# KiCad board pannel.kicad_pcb (continued)
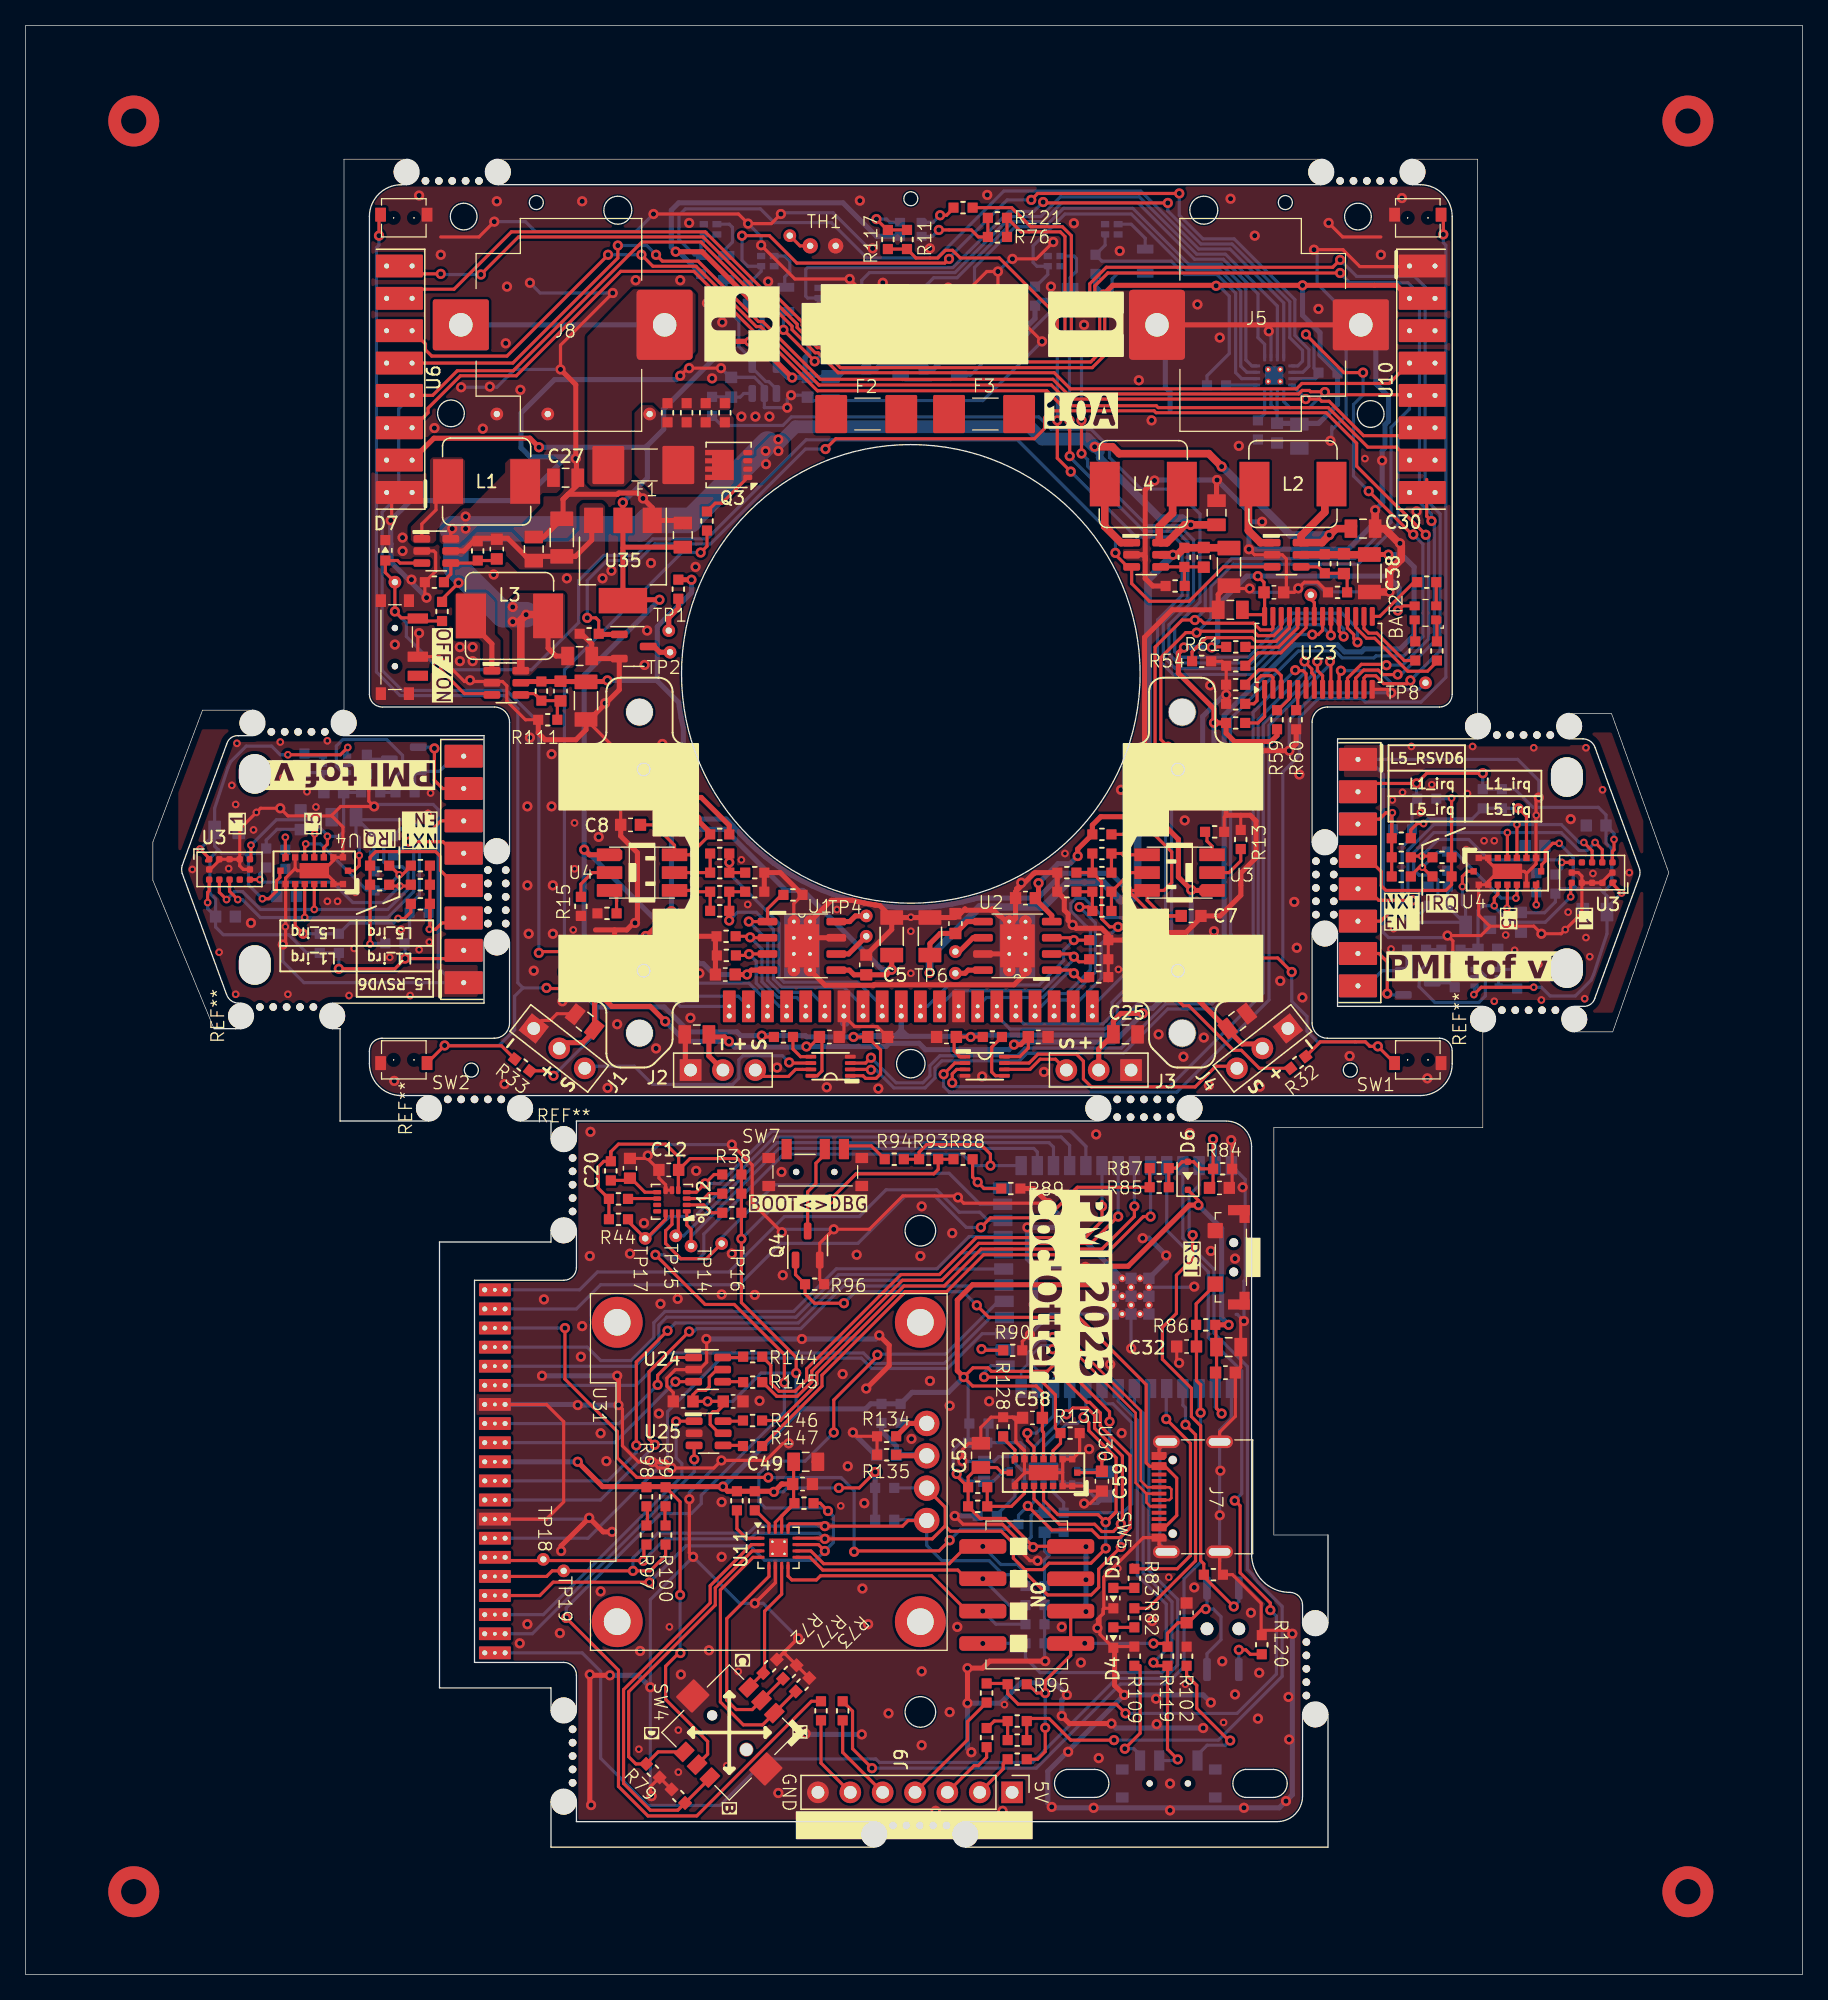
[diagram p0: board, top side]
## Routing (per net, layer and track width the routed paths; a pad name or vN(x,y) marks a point on that pad's centre or on a via; arc(x,y) is an arc through that point) (continued)
/boards interface/sda_top_3v3: length 97.1
  Top w0.25: U30.C3 79.17,37.34 81.16,35.35 83.92,35.35 84.5,34.78 85.39,34.78 v2(85.99,35.37) 86.11,35.49 86.11,40.7 83.92,42.89 83.92,43.9 83.35,44.47 82.22,44.47 v2(81.72,43.97) ; v2(62.75,35.2) 68.85,35.2 69.29,35.64 U31.4 ; v2(62.75,35.2) 62.67,35.12 ; v2(62.75,35.2) 62.56,35.39 60,35.39 59.86,35.25 U11.13 ; v2(85.99,33.56) 84.25,31.83 84.25,30.39 83.66,29.8 80.24,29.8 78.65,31.39 v2(77.67,31.39) ; 50.45,33.82 50.25,33.62 50.25,32.9 49.04,31.69 v2(47.69,31.69) 41.35,31.69 40.91,31.25 J49.16
  Bottom w0.25: U31.4 70.75,33.69 71.95,32.49 75.65,32.49 76.75,31.39 v2(77.67,31.39) ; v2(85.99,35.37) v2(85.99,33.56) ; U22.C3 79.17,41.42 81.97,44.22 U32.11 ; 70.65,35.69 70.64,35.7 R81.2 ; v2(62.75,35.2) 62.75,35.2 57.31,35.2 56.76,34.65 49.64,34.65 47.69,32.69 v2(47.69,31.69)
/boards interface/Sensor module/enable_back_tof_3v3: length 13.9
  Top w0.25: U30.A5 80.67,41.12 81.25,41.7 R131.1 80.85,42.9 80.85,45.5 79.45,46.9 v2(75.25,46.9)
  Bottom w0.25: 76.95,47.8 75.8,47.8 75.25,47.25 v2(75.25,46.9)
/boards interface/Sensor module/enable_front_tof_3v3: length 18.6
  Bottom w0.25: U22.A5 80.67,37.88 81.5,37.05 R127.1 86.15,36.25 86.83,36.94 86.83,43.33 85.36,44.8 84.8,44.8 84.51,45.09 U32.9
/boards interface/Sensor module/gyro_irq_3v3: length 38.6
  Top w0.25: R38.2 54.05,62.8 v2(53.35,62.1) 52.66,61.41 U12.4
  Bottom w0.25: 53.4,62.15 v2(53.35,62.1) 54.5,62.1 58.6,66.2 82.05,66.2 82.15,66.1 ; U32.31 83.24,65.01 82.15,66.1 ; 82.15,66.1 83.25,65
/boards interface/Sensor module/gyro_miso_3v3: length 34.6
  Top w0.25: 52.25,57.3 52.25,58.5 51.91,58.84 U12.1
  Bottom w0.25: 52.25,57.3 52.25,57.94 59.16,64.85 79.15,64.85 79.43,64.57 U32.28
/boards interface/Sensor module/gyro_mosi_3v3: length 36.1
  Top w0.25: TP15.1 51.25,58.19 U12.14
  Bottom w0.25: TP15.1 51.66,57.99 58.97,65.3 80.35,65.3 80.7,64.95 U32.29
/boards interface/Sensor module/gyro_ncs_3v3: length 42.9
  Top w0.25: TP17.1 47.3,59.14 R44.2 ; 48.75,57.79 50.25,59.29 U12.12
  Bottom w0.25: U32.30 81.97,65.08 81.3,65.75 58.79,65.75 52.54,59.5 50.56,59.5 48.85,57.79
/boards interface/Sensor module/gyro_sck_3v3: length 33.6
  Top w0.25: TP16.1 53.45,56.19 51.45,56.19 50.25,57.39 50.25,58.39 50.75,58.89 U12.13
  Bottom w0.25: TP16.1 54.65,57.85 58.8,62 64.35,62 65.25,62.9 72.5,62.9 74.94,60.47 U32.25
/boards interface/Sensor module/VL53L5_I2C_RST_u22_3v3: length 3.1
  Bottom w0.25: U22.A1 77.67,37.52 76.25,36.1 R124.1
/boards interface/Sensor module/VL53L5_I2C_RST_u30_3v3: length 2.2
  Top w0.25: U30.A1 77.67,41.18 76.75,42.1 R128.1
/boards interface/tof_irq_3v3: length 91.8
  Top w0.25: v2(58.31,39.01) 58.3,39.03 47.99,39.03 46.46,40.55 46.46,42.63 42.35,46.74 v2(42.35,50.75) ; v2(78.68,36.78) 80.56,34.9 83.7,34.9 84.3,34.3 85.94,34.3 86.71,35.07 86.71,40.74 84.38,43.07 84.38,44.09 83.54,44.92 83.33,44.92 v2(81.1,47.15) ; v2(65.05,33.19) 65.11,33.25 71.71,33.25 v2(72.55,34.09) ; U30.A3 79.17,41.4 78.65,41.92 v2(78.65,42.5)
  Bottom w0.25: U22.A3 79.17,37.12 78.75,36.7 78.75,36.71 v2(78.68,36.78) 77.95,36.05 R123.2 77.4,35.35 77,34.95 73.41,34.95 v2(72.55,34.09) ; v2(65.05,33.19) 65.05,37.99 64.03,39.01 v2(58.31,39.01) ; J49.3 v2(42.35,50.75) ; v2(78.65,42.5) 79.35,42.5 80.7,43.85 U32.12 80.7,46.75 v2(81.1,47.15)
/enable_tof_3v3: length 39.4
  Top w0.25: v3(17.7,88.65) 17.7,87.63 U3#3.5 ; U3#2.5 121.3,85.62 v3(121.3,84.6) ; v3(115.3,83.9) 115.3,84.52 115.58,84.8 U4#2.A5 ; U4#3.A5 23.42,88.45 23.7,88.73 v3(23.7,89.35)
  Bottom w0.25: v3(17.7,88.65) 19.7,90.65 22.48,90.65 23.7,89.43 v3(23.7,89.35) 24.6,89.35 24.98,89.72 24.98,92.8 R15#2.2 26.35,93.8 R16#2.2 26.05,95 Q4#2.5 ; v3(121.3,84.6) 119.3,82.6 116.52,82.6 115.3,83.82 v3(115.3,83.9) 114.4,83.9 114.03,83.53 C9.1 R15#3.2 112.65,79.45 R16#3.2 112.95,78.25 Q4#3.5
/power_supply/+batt_fuse: length 0
  Top w0.25: 50.74,118.26 50.75,118.25
/power_supply/+batt_unprotected: length 16.6
  Top w0.4: 49.38,128.88 49.38,129.5
  Bottom w0.4: 49.38,129.5 33.38,129.5
/power_supply/enable_pw_conv_3v7: length 104.9
  Top w0.25: 29,109 v2(29,107) 29.5,106.5 30.75,106.5 31,106.25 R114.2 ; U28.3 29.4,110.8 29.2,111 D7.A 28.25,110.05 TP11.1 ; v2(85.56,111.6) 85.56,111.46 86.52,110.5 U34.3 86.84,109.19 88.23,107.8 91.35,107.8 94.05,110.5 U29.3 ; 36.61,100.55 34.46,100.55 v2(32.3,102.7)
  Bottom w0.25: v2(85.56,111.6) 85.56,112.78 77.86,120.47 61.27,120.47 53.5,112.7 49.23,112.7 47.93,111.4 45.4,111.4 43.42,109.42 43.42,106.12 39.73,102.42 33.27,102.42 33,102.7 v2(32.3,102.7) 32.23,102.7 29.9,105.03 29.9,106.1 v2(29,107)
/power_supply/Vmot_left_5V: length 60.8
  Top w0.4: 42.84,101.5 43.98,101.5 C43.1 ; 42.84,101.5 45.59,101.5 v2(45.68,101.59) ; 42.84,101.5 38.89,101.5 ; R8.2 51.26,109.49 v2(52.28,109.49) ; U1.5 64.67,78.84 65.05,78.47 C3.1 67.59,78.47 v2(68,78.88) C5.1
  Bottom w0.4: v2(52.28,109.49) 52.28,108.48 50.15,106.35 50.15,106.35 49.6,105.8 49.6,101.54 49.55,101.59 ; 49.55,101.59 51.29,99.85 51.33,99.51 51.47,98.65 51.64,97.86 51.64,90.62 52.36,89.9 54.9,89.9 59.7,85.1 61.03,85.1 67.25,78.88 v2(68,78.88) ; 49.55,101.59 v2(45.68,101.59)
/power_supply/Vmot_right_5V: length 62.3
  Top w0.4: 94.45,112 C44.1 ; v2(70.97,78.63) 70.97,80 C6.1 71,80.92 71.81,81.72 C4.1 73.93,82.66 U2.5
  Top w0.6: 94.45,112 R112.1 90.42,111.45 U34.5 v2(90.08,111.45)
  Bottom w0.6: v2(70.97,78.63) 70.97,79.87 74.9,83.8 79.9,83.8 81.83,85.73 84.57,85.73 86,84.3 86.76,84.3 87.3,84.85 87.3,95.55 88.12,96.37 88.12,109.5 v2(90.08,111.45)
/propulsion/dir_left: length 11.4
  Top w0.25: R1.1 56.81,81.5 v2(56.89,81.42) 56.92,81.39 U1.2
  Bottom w0.25: v2(56.89,81.42) 57.81,80.5 57.81,77.93 59.05,76.7 60.55,76.7 J50.5
  Bottom w0.4: J50.5 J50.5
/propulsion/dir_right: length 16.3
  Top w0.25: v2(82.3,79.9) 82.7,79.5 83.5,79.5 ; v2(82.3,79.9) 82.08,80.11 U2.2 ; v2(82.3,79.9) 82.27,79.86
  Bottom w0.25: J50.12 72.97,77.22 79.83,77.22 82.3,79.7 v2(82.3,79.9)
  Bottom w0.4: J50.12 J50.12
/propulsion/encoder_supply: length 67.1
  Top w0.25: R29.1 52.15,87.9 U4.6 50.95,88.65 49.35,90.25 C8.1 ; R30.1 88.6,89.5 89.98,88.12 89.98,85.7 89.38,85.1 U3.6 ; U3.6 88.05,84.33 89.28,83.1 C7.1 88.55,83.1 v2(86.45,85.2) 86.55,85.1 U3.6
  Top w0.4: R29.1 53.75,89.64 v2(52.69,90.7)
  Bottom w0.4: v2(52.69,90.7) 55.01,90.7 55.56,90.15 56.14,89.51 56.75,88.89 57.39,88.3 58.05,87.75 58.74,87.22 59.46,86.73 60.2,86.27 60.95,85.85 61.73,85.47 62.52,85.12 63.33,84.81 64.16,84.54 64.99,84.3 65.84,84.11 66.69,83.96 67.55,83.85 68.42,83.77 69.28,83.74 70.15,83.75 71.02,83.81 71.88,83.9 72.74,84.03 73.58,84.2 74.43,84.42 74.7,84.5 79.48,84.5 81.43,86.45 85.2,86.45 v2(86.45,85.2)
/propulsion/left_encod_A_3v3: length 20.4
  Top w0.25: 55.33,84.99 55.25,84.91 R28.2 55.25,82.75 v2(55.24,82.74) ; R26.2 R27.1
  Bottom w0.25: v2(55.24,82.74) 55.88,83.39 57.38,83.39 58.72,82.05 58.72,78.16 59.38,77.5 64.25,77.5 J50.8
  Bottom w0.4: J50.8 J50.8
/propulsion/left_encod_B_3v3: length 23.2
  Top w0.25: R21.1 R24.2 R20.2
  Bottom w0.25: J50.9 65.35,77.9 59.54,77.9 59.16,78.28 59.16,82.5 55.25,86.42 v2(55.25,87.3)
  Bottom w0.4: J50.9 J50.9
/propulsion/mot_left_A: length 2.9
  Top w0.4: U1.6 64.62,80.11 TP3.1
/propulsion/mot_left_B: length 2.6
  Top w0.4: 66,83 65.9,83.1 65.15,83.1 64.7,82.66 U1.8
/propulsion/mot_right_A: length 2.7
  Top w0.4: 73,80 74.39,81.39 U2.6
/propulsion/mot_right_B: length 2.3
  Top w0.4: TP6.1 73.75,78.6 74,78.84 U2.8
/propulsion/pwm_left: length 8.9
  Top w0.25: U1.3 56.81,80.11 v2(56.8,80.1) 56.7,80 R3.1
  Bottom w0.25: v2(56.8,80.1) 57.37,79.53 57.37,77.81 59.18,76 J50.4
  Bottom w0.4: J50.4 J50.4
/propulsion/pwm_right: length 18.5
  Top w0.25: U2.3 81.98,81.39 82.23,81.14 ; v2(82.3,81.2) 83.3,81.2 83.5,81
  Bottom w0.25: J50.11 70.8,76 72.47,77.67 79.58,77.67 81.5,79.59 81.5,80.39 v2(82.3,81.2)
  Bottom w0.4: J50.11 J50.11
/propulsion/pwm_vaccum_3v3: length 100.4
  Top w0.25: v2(44.1,106.5) 44.77,106.5 45,106.27 R5#3.1 ; v2(106.84,102.78) 106.77,102.85 104.87,102.85 103.78,101.76 U23.11 ; v2(62.8,119.75) 63.61,120.56 79.2,120.56 80,121.36 80,122.2 80.55,122.75 88.6,122.75 88.75,122.6 102.11,122.6 104.5,120.21 104.5,118.4 107.74,115.16 107.78,115.16 v2(109.92,113.02)
  Top w0.4: R5#3.1 45.05,105.2 Q1.1
  Bottom w0.25: v2(62.8,119.75) 61.23,119.75 53.78,112.3 49.4,112.3 48.1,111 45.67,111 44.1,109.43 v2(44.1,106.5) ; v2(109.92,113.02) 110.15,112.79 110.15,104.84 108.1,102.78 v2(106.84,102.78)
/propulsion/right_encod_A_3v3: length 16.7
  Top w0.25: v2(85.77,82.24) 85.11,82.24 84.47,82.88 84.47,85.78 R22.2 ; R22.2 R23.1 ; R22.2 R25.2
  Bottom w0.25: v2(85.77,82.24) 84.44,80.91 84.44,78.19 J50.19
  Bottom w0.4: J50.19 J50.19
/propulsion/right_encod_B_3v3: length 14.6
  Top w0.25: v2(82.74,83.8) 83.44,83.8 R19.2 R17.2 R18.1
  Bottom w0.25: J50.18 81.25,76.5 81.8,76.5 83.99,78.69 83.99,82.55 v2(82.74,83.8)
  Bottom w0.4: J50.18 J50.18
/SCL_3v3: length 62.9
  Top w0.25: v3(22.67,83.61) U4#3.C4 ; U3#3.10 15.22,84.95 v3(15.78,84.38) ; v3(123.22,88.87) 123.78,88.3 U3#2.10 ; J1#2.6 32.61,90.56 31.98,89.92 v2(30.1,89.92) ; v3(116.33,89.64) U4#2.C4 ; J1.6 106.39,82.69 107.03,83.33 v2(108.9,83.33)
  Bottom w0.25: v2(108.9,83.33) 109.58,83.33 R10#2.2 110.88,84.62 110.88,85.92 110.5,86.3 109.4,86.3 108.97,86.73 108.97,88.06 110.56,89.64 v3(116.33,89.64) 120.56,89.64 121.96,88.24 122.59,88.24 v3(123.22,88.87) ; v3(15.78,84.38) 16.41,85.01 17.04,85.01 18.44,83.61 v3(22.67,83.61) 28.44,83.61 30.02,85.19 30.02,86.52 29.6,86.95 28.5,86.95 28.12,87.33 28.12,88.62 R10#3.2 29.43,89.92 v2(30.1,89.92)
/SDA_3v3: length 60.3
  Top w0.25: U3#2.9 122.98,88.22 v3(122.33,88.87) ; v3(16.67,84.38) 16.02,85.03 U3#3.9 ; v2(30.1,88.92) 32.77,88.92 33.68,88.02 J1#2.5 34.37,88.05 ; v3(117.08,90.27) U4#2.C3 ; 104.63,85.2 J1.5 105.32,85.23 106.23,84.33 v2(108.9,84.33) ; v3(21.92,82.98) U4#3.C3
  Bottom w0.25: v3(16.67,84.38) 17.03,84.38 18.44,82.98 21.91,82.98 v3(21.92,82.98) 28.45,82.98 30.48,85 30.48,88.55 v2(30.1,88.92) 29.03,87.85 R9#3.2 ; v3(122.33,88.87) 121.97,88.87 120.56,90.27 117.09,90.27 v3(117.08,90.27) 110.55,90.27 108.53,88.25 108.53,84.7 v2(108.9,84.33) 109.97,85.4 R9#2.2
/sensors/ctc_left: length 108.7
  Top w0.25: R32.2 101.65,73.22 105.18,73.22 105.54,72.86 v2(106.16,72.86) ; v2(106.16,72.86) 105.86,72.86 ; v2(106.16,72.86) SW1.2 ; v2(111.3,136.6) 111.3,137.97 SW6.2 ; v2(86.7,79.5) 89,79.5 89.3,79.8 98.3,79.8 v2(99.4,78.7)
  Bottom w0.25: v2(111.3,136.6) 111.3,135.95 111.5,135.75 111.5,101.83 109.55,99.89 105.17,99.89 104.9,100.16 101.5,100.16 100,98.66 100,95.7 98.7,94.4 98.7,79.4 v2(99.4,78.7) 99.4,76.4 100.6,75.2 100.6,74.05 101.45,73.2 105.2,73.2 105.54,72.86 v2(106.16,72.86) ; v2(86.7,79.5) 86.7,78.95 J50.20
  Bottom w0.4: J50.20 J50.20
/sensors/ctc_right: length 105.4
  Top w0.25: SW9.1 27.75,138.03 v2(27.75,136.5) ; R33.2 37.37,72.9 32.93,72.9 v2(32.9,72.93) SW2.1 ; v2(40.9,77.45) 40.95,77.4 45.75,77.4 v2(46.4,76.75)
  Bottom w0.25: v2(40.9,77.45) 39.05,77.45 ; 39.05,77.45 38.4,76.8 38.4,74.15 37.18,72.93 v2(32.9,72.93) ; 39.05,77.45 38.65,77.85 38.65,99.35 37.6,100.4 29.4,100.4 27.55,102.25 27.55,135.55 27.75,135.75 v2(27.75,136.5) ; J50.1 51.4,76 50.7,76.7 46.45,76.7 v2(46.4,76.75)
  Bottom w0.4: J50.1 J50.1
/sensors/enable_tof1: length 91.3
  Top w0.25: 28.75,121.42 30.42,121.42 31.6,122.6 31.6,122.95 34.15,125.5 38.53,125.5 46.73,133.7 52.47,133.7 57.21,128.96 57.54,128.96 61.3,125.2 61.3,125.19 62.17,124.33 80.17,124.33 81.35,123.15 88.77,123.15 88.92,123 102.27,123 105.37,119.9 107.63,119.9 U10.7
/sensors/line_detect_l0: length 49.7
  Bottom w0.25: U7.7 98.28,130.97 94.2,135.05 91.94,135.05 87.44,139.55 81.25,139.55 79.7,138 77.37,138 72.97,133.6 66.25,133.6 65.65,133 65.65,129.35 65.9,129.1 U8.1 66.75,128.35 66,127.6 R36.2
/sensors/line_detect_l1: length 54.9
  Top w0.25: v2(79.89,139.14) 79.96,139.07 v2(89.67,139.07)
  Bottom w0.25: v2(89.67,139.07) 89.67,138.44 92.27,135.85 94.72,135.85 99.25,131.32 99.25,128.5 100.25,127.5 100.25,126.65 99.88,126.28 99.42,126.28 ; R42.2 61.5,130.5 62.25,131.25 U13.1 61.4,131.6 61.25,131.75 61.25,133.85 61.4,134 72.8,134 77.2,138.4 79.15,138.4 v2(79.89,139.14)
/sensors/line_detect_l2: length 63.8
  Top w0.25: v2(56.25,136.5) 58.4,136.5 60.55,134.35 72.17,134.35 v2(72.5,134.68) ; v2(90.58,139.81) 79.46,139.81 v2(78.95,139.31)
  Bottom w0.25: v2(72.5,134.68) 72.5,134.75 77.06,139.31 v2(78.95,139.31) ; 99.42,125.78 100.28,125.78 100.75,126.25 100.75,127.57 99.65,128.67 99.65,131.48 94.88,136.25 92.43,136.25 90.58,138.11 v2(90.58,139.81) ; v2(56.25,136.5) 56.25,134.56 56.71,134.1 U15.1 57.75,133.7 R48.2
/sensors/line_detect_l3: length 65.2
  Bottom w0.25: U7.8 98.78,131.22 94.55,135.45 92.1,135.45 87.55,140 76.8,140 71.55,134.75 66.05,134.75 63.27,137.53 58.77,137.53 57.7,138.6 51.8,138.6 51.3,138.1 51.3,136.2 52.51,134.99 R52.2 53.03,135.82 53.25,136.04 U19.1
/sensors/line_detect_r0: length 43.6
  Bottom w0.25: R37.2 71.25,128.25 U9.1 70.5,129.1 70,129.6 70,131.9 71.3,133.2 73.13,133.2 77.53,137.6 79.87,137.6 81.37,139.1 87.32,139.1 91.77,134.65 94.03,134.65 96.75,131.93 96.75,128.5 97.28,127.97 U7.5
/sensors/line_detect_r1: length 37.8
  Bottom w0.25: R43.2 75.75,130.75 U14.1 74.8,131.6 74.5,131.9 74.5,134 77.7,137.2 80.03,137.2 81.48,138.65 86.92,138.65 91.32,134.25 93.87,134.25 95.8,132.32 95.8,126.75 96.28,126.28 U7.4
/sensors/line_detect_r2: length 31.8
  Bottom w0.25: R49.2 79.3,132.5 80.25,133.45 U16.1 79.4,134.1 79.1,134.4 79.1,135.7 81.6,138.2 86.81,138.2 91.16,133.85 93.7,133.85 95.4,132.15 95.4,126.25 95.88,125.78 U7.3
/sensors/line_detect_r3: length 22.2
  Bottom w0.25: U20.1 84.75,135.75 R53.2 84.5,134.5 89.94,134.5 90.99,133.45 93.54,133.45 95,131.99 95,125.75 95.47,125.28 U7.2
/sensors/line_led_3v3: length 64.4
  Top w0.25: v2(61.95,126.63) 61.95,126.66 v2(59.5,129.11) ; v2(75.9,127.27) 75.67,127.04 64.46,127.04 v2(62.65,128.85)
  Bottom w0.25: 62.04,126.64 62.03,126.63 v2(61.95,126.63) 61.95,126.65 62.5,127.2 62.95,127.2 63.8,128.05 ; 71.1,125.2 69.05,125.2 R34.1 ; 71.1,125.2 68.85,125.2 68.5,125.55 ; 71.1,125.2 72.65,125.2 73,125.55 74.19,125.55 v2(75.9,127.27) 76.69,128.05 R41.1 77.97,128.05 80.47,130.55 R47.1 84.25,130.55 85.3,131.6 85.3,133.1 85.75,133.55 R51.1 ; U5.1 58.95,124.45 58.35,125.05 58.12,125.05 57.05,126.12 U5.4 ; 59.5,130.55 v2(59.5,129.11) 59.41,129.11 57.05,126.75 U5.4 ; R40.1 63.8,128.05 ; 63.8,128.05 63.45,128.4 63.1,128.4 v2(62.65,128.85) 62.8,128.85 ; R50.1 55,130.8 56,129.8 56,127.8 56.94,126.86 56.94,126.5 U5.4
/sensors/tof_irq: length 166
  Top w0.25: U10.4 107.05,124.9 100.2,124.9 99.78,124.47 82.03,124.47 80.76,125.74 63.8,125.74 62.23,127.31 61.99,127.31 60.17,129.12 60.17,129.39 58.45,131.11 57.92,131.11 53.03,136 48.39,136 38.29,125.9 33.9,125.9 31.96,123.96 28.75,123.96 ; v2(50.1,80.3) 40.4,80.3 v2(40.3,80.2)
  Bottom w0.25: U6.4 29.3,122.91 29.3,116.1 28,114.8 28,102.37 29.57,100.8 37.77,100.8 40.3,98.27 v2(40.3,80.2) ; J50.3 58.25,76.36 56.79,77.83 52.58,77.83 v2(50.1,80.3)
  Bottom w0.4: J50.3 J50.3
/VL53L1_irq_3v3: length 32
  Top w0.25: R20#3.1 110.35,87.8 v3(109.6,87.8) 108.85,87.8 R4#2.1 ; R20#2.1 28.65,85.45 v3(29.4,85.45) 30.15,85.45 R4.1 ; v3(18.4,85.95) U3#3.7 ; v3(120.6,87.3) U3#2.7
  Bottom w0.25: v3(29.4,85.45) 28.1,84.15 25.7,84.15 24.1,85.75 18.6,85.75 v3(18.4,85.95) 18.4,86.4 R8#3.2 ; R8#2.2 120.6,86.85 v3(120.6,87.3) 120.4,87.5 114.9,87.5 113.3,89.1 110.9,89.1 v3(109.6,87.8)
/VL53L5_I2C_RST_3v3: length 5.1
  Top w0.25: U4#2.A1 118.58,85.02 118.6,85 v3(118.6,83.97) ; U4#3.A1 20.42,88.23 20.4,88.25 v3(20.4,89.28)
  Bottom w0.25: v3(20.4,89.28) R14#2.1 ; v3(118.6,83.97) R14#3.1
/VL53L5_irq_3v3: length 25.5
  Top w0.25: R21#2.1 110.38,86.2 v3(109.66,86.92) 109.42,86.92 108.75,86.25 R5.1 ; U4#3.A3 21.92,88.67 v3(22,88.75) ; R5#2.1 30.25,87 29.57,86.33 v3(29.34,86.33) 28.62,87.05 R21#3.1 ; v3(117,84.5) 117.08,84.58 U4#2.A3
  Bottom w0.25: v3(117,84.5) 115.85,84.5 112.25,88.1 110.83,88.1 v3(109.66,86.92) ; v3(29.34,86.33) 28.17,85.15 26.75,85.15 23.15,88.75 v3(22,88.75)
/VL53L5_RSVD6_3v3: length 27.9
  Top w0.25: v2(21.8,81.7) 21.17,82.33 U4#3.C2 ; v2(117.2,91.55) 117.83,90.92 U4#2.C2 ; v3(109.75,90.35) 109.25,90.35 108.75,89.85 R6#3.1 ; v3(29.25,82.9) 29.75,82.9 30.25,83.4 R6#2.1
  Bottom w0.25: v3(109.75,90.35) 110.11,90.72 113.57,90.72 R12#2.2 v2(117.2,91.55) ; v2(21.8,81.7) R12.2 25.43,82.53 28.89,82.53 v3(29.25,82.9)
DETECT_IRQ_3v3: length 34.6
  Top w0.25: v3(27.05,80.9) 27.05,87.7 27.5,88.15 32.2,88.15 32.58,87.78 32.58,86.67 33.77,85.48 J1#2.4 ; v3(111.95,92.35) 111.95,85.55 111.5,85.1 106.8,85.1 106.42,85.47 106.42,86.58 105.23,87.77 J1.4
  Bottom w0.25: v3(111.95,92.35) 111.9,92.3 R25#3.2 ; v3(27.05,80.9) 27.1,80.95 R25#2.2
enable_next_board_3v3: length 22.3
  Top w0.25: J1#2.3 34.01,82.55 32.7,82.55 32.2,82.05 v3(31.7,82.05) ; 107.25,90.7 R5.2 ; J1.3 104.99,90.7 106.3,90.7 106.8,91.2 v3(107.3,91.2) ; R6#2.2 31.75,82.1 v3(31.7,82.05) ; v3(107.3,91.2) 107.3,91 ; v3(107.3,91.2) 107.25,91.15 R6#3.2 ; v3(31.7,82.05) 31.7,82.25 ; 31.75,82.55 R5#2.2
  Bottom w0.25: 31.85,83.35 31.7,83.2 v3(31.7,82.05) ; v3(107.3,91.2) 107.3,90.05 107.15,89.9
Net-(BAT2-C_BLUE): length 1.7
  Top w0.25: 109,104.65 109.05,104.7 BAT2.2
Net-(BAT2-C_GREEN): length 1.9
  Top w0.25: R63.1 BAT2.4
Net-(BAT2-C_RED): length 1.7
  Top w0.25: R64.1 110.8,106.29 BAT2.1
Net-(D1-C_BLUE): length 4.7
  Top w0.25: R11.2 R117.2 67.65,136.95 v2(66.8,137.8)
  Bottom w0.25: v2(66.8,137.8) 67.6,137.8 67.85,137.55 D1.2
Net-(D1-C_GREEN): length 7.2
  Top w0.25: v2(71.7,136.95) 74.25,136.95 74.8,136.4 R76.2 R121.2
  Bottom w0.25: 71.75,137 v2(71.7,136.95) 71.2,136.45 D1.4
Net-(D1-C_RED): length 3.1
  Top w0.25: v2(71.8,138.1) 72.3,138.1 72.85,138.65 R74.2
  Bottom w0.25: 71.75,138.05 v2(71.8,138.1) 71.25,137.55 D1.1
Net-(D4-PadA): length 1.6
  Top w0.25: D4.A R82.2
Net-(D5-PadA): length 1.6
  Top w0.25: D5.A R83.2
Net-(J9-3V3): length 3.5
  Top w0.25: R138.2 76.75,16.55 76.75,16.14 J9.2
Net-(J9-BOOT): length 7
  Top w0.25: J9.6 62.45,16.6 R140.2
  Top w0.4: 64.75,14.25 65.15,14.25
Net-(J9-NRST): length 7
  Top w0.25: R139.2 64.15,17.44 J9.5
Net-(J9-RXD): length 5
  Top w0.25: R137.2 75.45,17.05 74.8,16.4 74.47,16.4 J9.3
Net-(J9-TXD): length 9.4
  Top w0.25: R136.2 73.95,19.85 73.95,18.42 J9.4
Net-(Q1-D): length 5.7
  Top w0.4: TP2.1 49.8,103.8 49.35,104.25 Q1.3
  Bottom w0.25: Q1#2.3 111.85,77.85 R16#3.1 ; Q1#3.3 27.15,95.4 R16#2.1
Net-(Q4-D): length 7
  Top w0.25: Q4.3 61.4,61.44 62.05,62.09 62.05,63.69 62.75,64.39 SW7.B
Net-(Q4A-DN): length 25.8
  Bottom w0.25: Q4#3.6 114.08,78.9 114.6,78.38 114.6,76.82 114.08,76.3 110.65,76.3 109.4,77.55 109.4,78.7 109.95,79.25 R18#3.1 R15#3.1 ; Q4#2.6 24.92,94.35 24.4,94.87 24.4,96.43 24.92,96.95 28.35,96.95 29.6,95.7 29.6,94.55 29.05,94 R18#2.1 R15#2.1
Net-(Q4A-GN): length 4.4
  Bottom w0.25: R17#3.1 116.9,77.6 Q4#3.3 Q4#3.2 ; R17#2.1 22.1,95.65 Q4#2.3 Q4#2.2
Net-(R8-Pad1): length 2.8
  Top w0.4: R8.1 51.25,107.25 50.5,106.5 TP1.1
Net-(R94-Pad2): length 3.7
  Top w0.25: SW7.C 64.5,65.05 66.4,65.05 R94.2
Net-(R97-Pad1): length 1.4
  Top w0.25: 48.85,35.32 48.77,35.4 ; 48.83,36.6 48.83,35.3
Net-(R100-Pad1): length 1.5
  Top w0.25: 50.42,35.35 50.2,35.57 50.2,36.43 50.42,36.65
Net-(R102-Pad1): length 10.8
  Top w0.25: v2(94.57,18.37) 94.47,18.37 91.95,20.89 91.95,22.7 91.29,23.36 91.28,23.36 91.15,23.49 R102.1
  Bottom w0.25: SW3.A 92,17.24 92.76,18 94.2,18 v2(94.57,18.37)
Net-(R109-Pad1): length 8.9
  Top w0.25: v2(86.3,17.72) 86.29,17.72 87.5,18.94 87.5,24.25
  Bottom w0.25: v2(86.3,17.72) 87.01,17.72 87.5,17.24 SW3.C
Net-(R120-Pad1): length 3.5
  Top w0.25: v2(95.25,25.49) 95.8,25.49 96.15,25.14 R120.1
  Bottom w0.25: U18.1 v2(95.25,25.49)
Net-(TH1-Pad1): length 1.9
  Top w0.25: TH1.1 60.8,135.7 TP12.1
Net-(U3-C1): length 3.6
  Top w0.25: R13.1 95.4,87.42 94.48,86.5 U3.2
Net-(U3-C2): length 1.8
  Top w0.25: 92.75,89.5 92.75,88.97 93.15,88.58 U3.3
Net-(U3-E1): length 4.3
  Top w0.25: U3.4 86.16,87.9 86.06,88 R25.1 R22.1
Net-(U3-E2): length 4.9
  Top w0.25: U3.5 86.75,86.5 R17.1 R19.1
Net-(U4-C1): length 3.6
  Top w0.25: R15.1 43.6,85.6 44.5,86.5 U4.2
Net-(U4-C2): length 3.3
  Top w0.25: 46.4,84.25 46.4,84.9 46.2,85.1 U4.3 46.4,84.55 46.4,84.25 ; 46.4,84.25 R16.1
Net-(U4-E1): length 4.3
  Top w0.25: R28.1 R26.1 52.7,85 52.6,85.1 U4.4
Net-(U4-E2): length 4.3
  Top w0.25: U4.5 R24.1 R20.1
Net-(U5-+): length 3.3
  Bottom w0.25: U5.3 56.39,124.11 56.1,123.83 55.8,123.83 55.77,123.85 R31.2
Net-(U7-ADDR): length 2.3
  Bottom w0.25: U7.16 97.28,122.53 R10.1
Net-(U7-~{RESET}): length 2.4
  Bottom w0.25: U7.1 94.28,124.78 R12#3.2
Net-(U8-A): length 3.5
  Bottom w0.25: 68.6,127.55 68.5,127.45 ; R34.2 68.7,128.2 68.9,128.4 68.9,129.7 68.7,129.9 67.92,129.9
Net-(U9-A): length 3.9
  Bottom w0.25: R35.2 73.3,128.3 73.7,128.7 73.7,129.7 73.5,129.9 72.42,129.9 ; 73.1,127.55 73,127.45
Net-(U11-ADDR): length 2
  Top w0.25: U11.16 58.36,35.39 57.31,36.44 R118.2
Net-(U11-~{RESET}): length 3.6
  Top w0.25: U11.1 56.59,34.25 55.85,34.99 R116.2
Net-(U12-INT2/DEN): length 2.3
  Top w0.25: U12.9 47.32,60.91 R39.2
Net-(U12-SCx): length 2.9
  Top w0.25: U12.3 53.26,60.91 53.65,61.3 R45.2
Net-(U12-SDx): length 3
  Top w0.25: U12.2 53.24,60.41 53.85,59.8 R101.2
Net-(U12-Vdd): length 4.2
  Top w0.25: U12.8 48.63,61.41 47.52,62.51 C20.1 47.27,62.34 R141.2
Net-(U13-A): length 3.6
  Bottom w0.25: 64,129.95 64.1,130.05 64.1,130.7 64.5,131.1 64.5,132.1 64.2,132.4 63.41,132.4
Net-(U14-A): length 3.7
  Bottom w0.25: R41.2 77.6,130.05 77.6,130.5 78.1,131 78.1,132.1 77.8,132.4 76.92,132.4
Net-(U15-A): length 3.5
  Bottom w0.25: 59.5,132.45 59.6,132.55 59.6,133.25 60,133.65 60,134.5 59.6,134.9 58.91,134.9
Net-(U16-A): length 3.6
  Bottom w0.25: R47.2 82,133.2 82.5,133.7 82.5,134.7 82.3,134.9 81.42,134.9
Net-(U17-DIR): length 4.2
  Top w0.25: R143.2 75.85,72.8 75.85,70.85 76.15,70.55 U17.5
Net-(U19-A): length 3.6
  Bottom w0.25: R50.2 55,135.5 55.5,136 55.5,137.15 55.25,137.4 54.41,137.4
Net-(U20-A): length 3.3
  Bottom w0.25: R51.2 87.9,136.3 86.8,137.4 85.92,137.4
Net-(U21-DIR): length 2.6
  Top w0.25: R142.2 60.25,72.65 60.85,72.05 U21.5
Net-(U22-RSVD6): length 5.3
  Bottom w0.25: 75.5,43.25 R125.2 78.1,41.75 78.42,41.43 U22.C2
Net-(U23-A0): length 3.9
  Top w0.25: U23.1 97.28,98.77 96.76,98.25 R57.2
Net-(U23-A1): length 5
  Top w0.25: R56.1 96.43,99.75 96.68,100 96.68,101.63 97.01,101.96 97.78,101.96 97.92,101.81 U23.2
Net-(U23-A2): length 4.6
  Top w0.25: U23.3 98.58,101.97 98.13,102.41 96.82,102.41 95.75,101.34 R58.1
Net-(U23-A3): length 2.1
  Top w0.25: U23.4 99.22,100.15 98.32,99.25 R59.2
Net-(U23-A4): length 1.7
  Top w0.25: U23.5 99.88,99.38 R60.1
Net-(U23-A5): length 5.7
  Top w0.25: 96.03,104.5 96.03,104.2 98.36,104.2 99.88,105.71 U23.24
Net-(U23-EXTCLK): length 10.3
  Top w0.25: U23.25 99.22,105.7 98.18,104.65 96.57,104.65 96.27,104.94 92.69,104.94 91.58,103.83 R54.1
Net-(U24-1Y): length 1.6
  Top w0.25: U24.6 56.28,48.44 R144.1
Net-(U24-2Y): length 1.6
  Top w0.25: U24.4 56.3,46.54 R145.1
Net-(U25-1Y): length 1.6
  Top w0.25: U25.6 56.27,43.44 R146.1
Net-(U25-2Y): length 1.6
  Top w0.25: U25.4 56.27,41.54 R147.1
Net-(U28-FB): length 5.5
  Top w0.25: C29.2 37,111.1 36.9,111 R66.2 35.3,110.8 U28.4 33.39,109.94 32.75,109.3
Net-(U28-SW): length 4.8
  Top w0.25: 32.23,117 32.23,114.97 31.11,113.86 U28.1
Net-(U29-FB): length 5.2
  Top w0.25: U29.4 101.5,110.5 R67.2 103.47,110 C37.2 103.75,109.72 R108.1
Net-(U29-SW): length 6.1
  Top w0.6: U29.1 96.95,112.4 96,113.35 96,116.53 L2.2
Net-(U30-RSVD6): length 5.4
  Top w0.25: U30.C2 78.42,37.77 77.4,36.75 R129.2 R130.2
Net-(U31-GND): length 5
  Top w0.4: R134.2 69.36,43.26 U31.1 70.75,43.1
  Bottom w0.4: U31.1 68.74,43.26 R133.1
Net-(U31-VCC): length 7.8
  Top w0.4: U31.2 68.43,40.72 R135.1
  Bottom w0.4: U31.2 70.67,40.8 C31.1 68.38,41.47 67.2,42.65 R132.1
Net-(U32-IO45,GPIO45): length 6.2
  Top w0.25: R89.1 75.25,61.7 v2(74.75,62.2) 74.35,62.6 R88.2
  Bottom w0.25: v2(74.75,62.2) 75.22,61.73 U32.26
Net-(U32-IO46,GPIO46): length 3.6
  Top w0.25: v2(75.05,49.1) 75.15,49 R90.1
  Bottom w0.25: 76.95,49.1 v2(75.05,49.1)
Net-(U32-TXD0,U0TXD,GPIO43,CLK_OUT1): length 67.9
  Top w0.25: R92.1 R91.1 78.8,20.1 80.35,20.1 82.05,18.4 v2(85.45,18.4) 85.3,18.25
  Bottom w0.25: U32.37 90.85,63.49 90.85,57.8 93.3,55.35 93.3,50.35 95.92,47.72 95.92,31.8 96.33,31.39 96.53,31.07 96.76,30.78 98.65,28.89 98.65,23.4 93.65,18.4 v2(85.45,18.4)
Net-(U33-FB): length 4.9
  Top w0.25: R111.1 41.75,99.72 C41.2 41.98,100 R110.2 39.95,100.55 38.89,100.55
Net-(U33-SW): length 5
  Top w0.4: 34.98,106.75 34.98,106.09 36.61,104.46 36.61,102.45
Net-(U34-FB): length 4.9
  Top w0.25: R112.2 90.97,109.03 R113.1 ; C42.2 92.47,110.5 U34.4
Net-(U34-SW): length 6
  Top w0.6: L4.2 84.72,113.67 86,112.4 U34.1

## Copper pours and planes (outline as drawn; the poured copper is in the pictures)
/power_supply/P3V9 on Top: 32.75,112 33,112.25 34.45,112.25 35.45,113.25 38.15,113.25 38.9,112.5 42.6,112.5 43.5,113.4 43.5,115.25 43.75,115.5 45.25,115.5 45.5,115.25 45.5,111.5 44.3,110.3 38.8,110.3 37.75,111.35 37.4,111.75 34.75,111.75 34.25,111.25 33,111.25 32.75,111.5
GND on Top, Bottom: 28.4,140.6 110.5,140.6 112.1,139 112.1,68.9 110.6,67.4 28.5,67.4 26.7,69.2 26.7,138.9
GND on Top, Bottom: 12,97.75 37,97.75 37,75.75 12,75.75
GND on Top, Bottom: 127,75.5 102,75.5 102,97.5 127,97.5
GND_m on Top, Bottom: 35.45,54.5 42.85,54.89 43.25,66.99 96.25,66.99 96.25,33.09 100.25,29.55 100.25,12 43.2,11.95 42.85,23.99 35.25,24.4
+BATT on Top: 57.4,119.7 57.4,119.25 57.2,119.05 56.4,119.05 56.23,118.88 56.23,117.3 56.4,117.1 57.8,117.1 59.9,119.2 59.9,120.4 59.5,120.8 58.5,120.8
+BATT on Top: 39.6,101.95 40.2,102.55 42.9,102.55 43.15,102.8 43.15,104.3 42.35,105.1 42.35,108.3 42.2,108.45 38.65,108.45 37.85,107.65 37.85,105.85 38.2,105.5 38.2,102.1 38.35,101.95
+BATT on Top: 34,112.25 35.7,113.9 38.95,113.9 40.4,115.4 40.4,116.1 40.6,116.3 41.7,116.3 42,116.6 42,118.35 41.35,119 38,119 37.65,118.65 37.65,117.9 34.9,115.1 34.35,115.1 32.5,113.25 32.5,112.5 32.75,112.25
+BATT on Bottom: 56.45,121.25 59,121.25 59.85,120.4 59.85,119.4 53.45,113 49.05,113 47.95,111.9 32.55,111.9 32.2,112.25 32.2,114.25 32.8,114.85 45.2,114.84 45.56,114.43 47.53,114.43 48.31,115.2 50.4,115.2
/power_supply/+batt_fuse on Top: 54.7,116.2 55.6,117.1 55.6,122.2 55.3,122.5 50,122.5 49.3,123.2 48.4,123.2 47.8,122.6 47.8,117.75 49.35,116.2
/power_supply/+batt_unprotected on Top: 47.6,117.4 47.6,122.7 48.3,123.4 49.3,123.4 49.9,122.8 55.2,122.8 55.4,123 55.4,124.3 54.8,124.9 51.1,124.9 50.8,125.2 50.8,125.6 52.6,127.4 52.6,131.9 52.2,132.3 47.7,132.3 44.1,128.6 44.1,117.1 44.4,116.8 47,116.8
Net-(U28-SW) on Top: 31.95,119.1 34.25,119.1 34.5,118.85 34.5,115.5 32.25,113.25 32.25,112.6 32,112.35 30.5,112.35 30.25,112.6 30.25,113.65 31.75,115.15 31.75,118.9
Net-(U33-SW) on Top: 37.3,104.75 36.85,105.2 36.85,107.8 36.15,108.5 33.9,108.5 33.7,108.3 33.7,104.95 33.8,104.85 35.6,104.85 35.9,104.55 35.9,102.1 36,102 37.15,102 37.3,102.15

Small or netless copper shapes (teardrops, artwork), in the pictures only: 21 on Top, 21 on Bottom

## Text on the board
B.Silkscreen: PMI_TOF_SENSOR | PMI 2023 / Coc'Otter
F.Silkscreen: L5_RSVD6 | L1_irq | L5_irq | RST | L5 | L1 | BOOT<>DBG | NXT / EN | IRQ | OFF/ON | 10A | + | - | PMI tof v1 | PMI 2023 / Coc'Otter
